# Altium PCB JBC_SolderingIron.PcbDoc
Units mm, origin at the board's own origin, x right, y up, seen from the top; angles counter-clockwise.
Board outline 100 x 55 mm, 2 copper layers (Top Layer, Bottom Layer), stack 1.671 mm thick; 98 components, 65 nets, 338 pads, 41 vias.
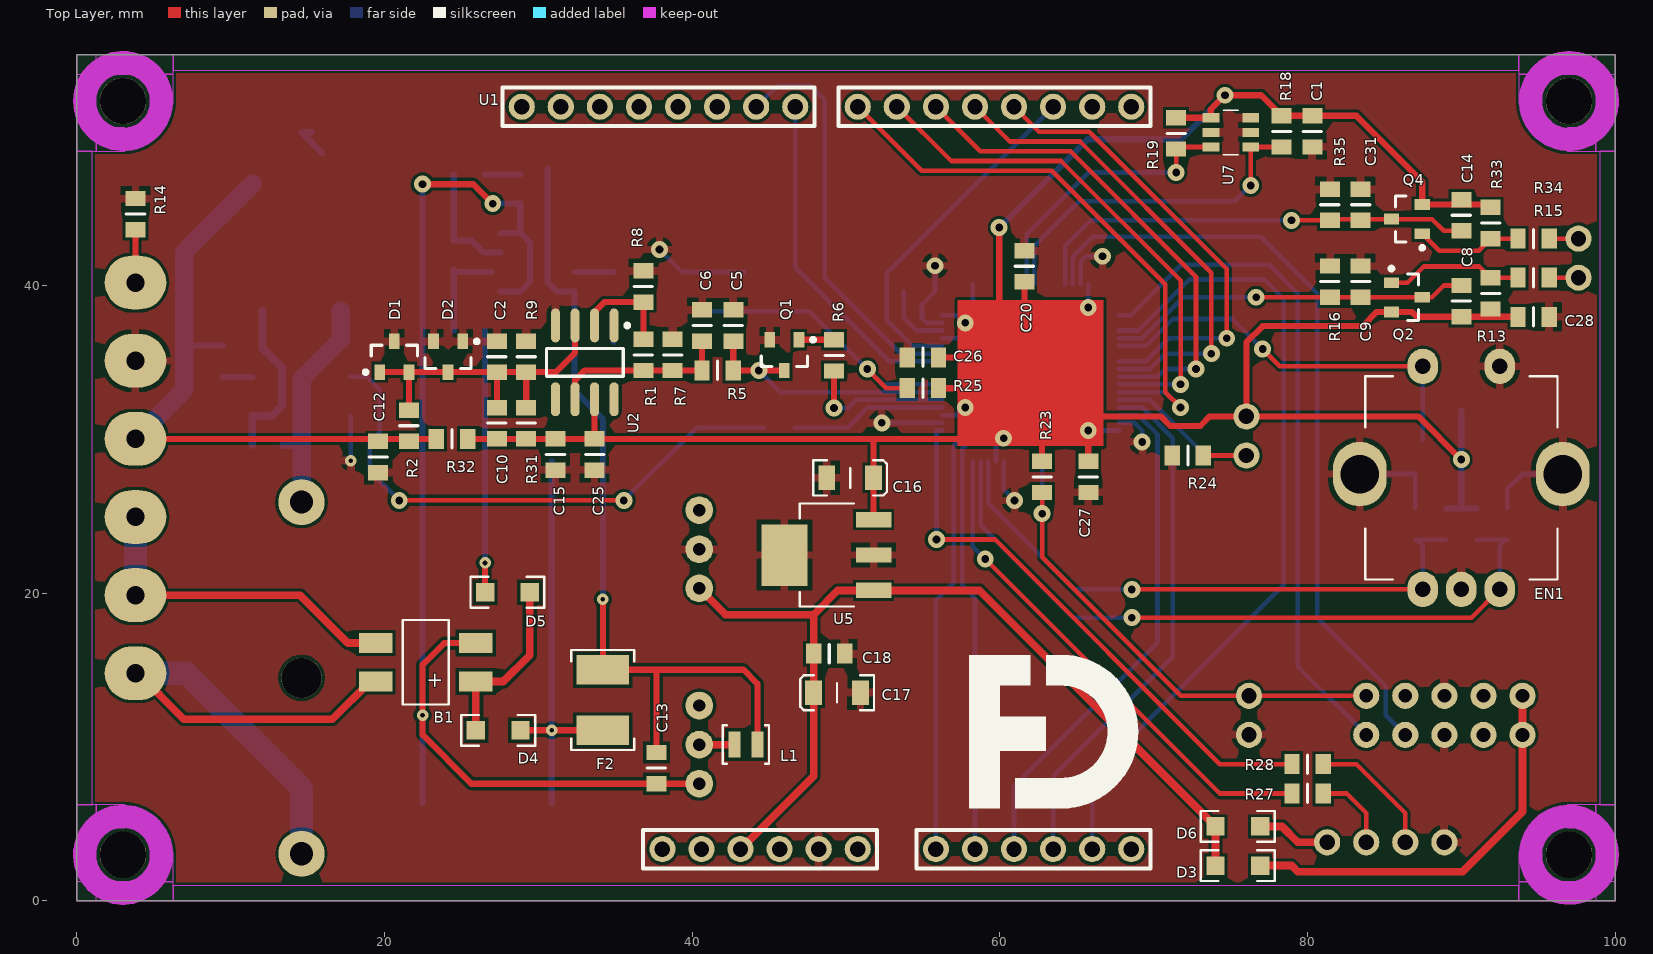
[diagram p0: Top Layer view]
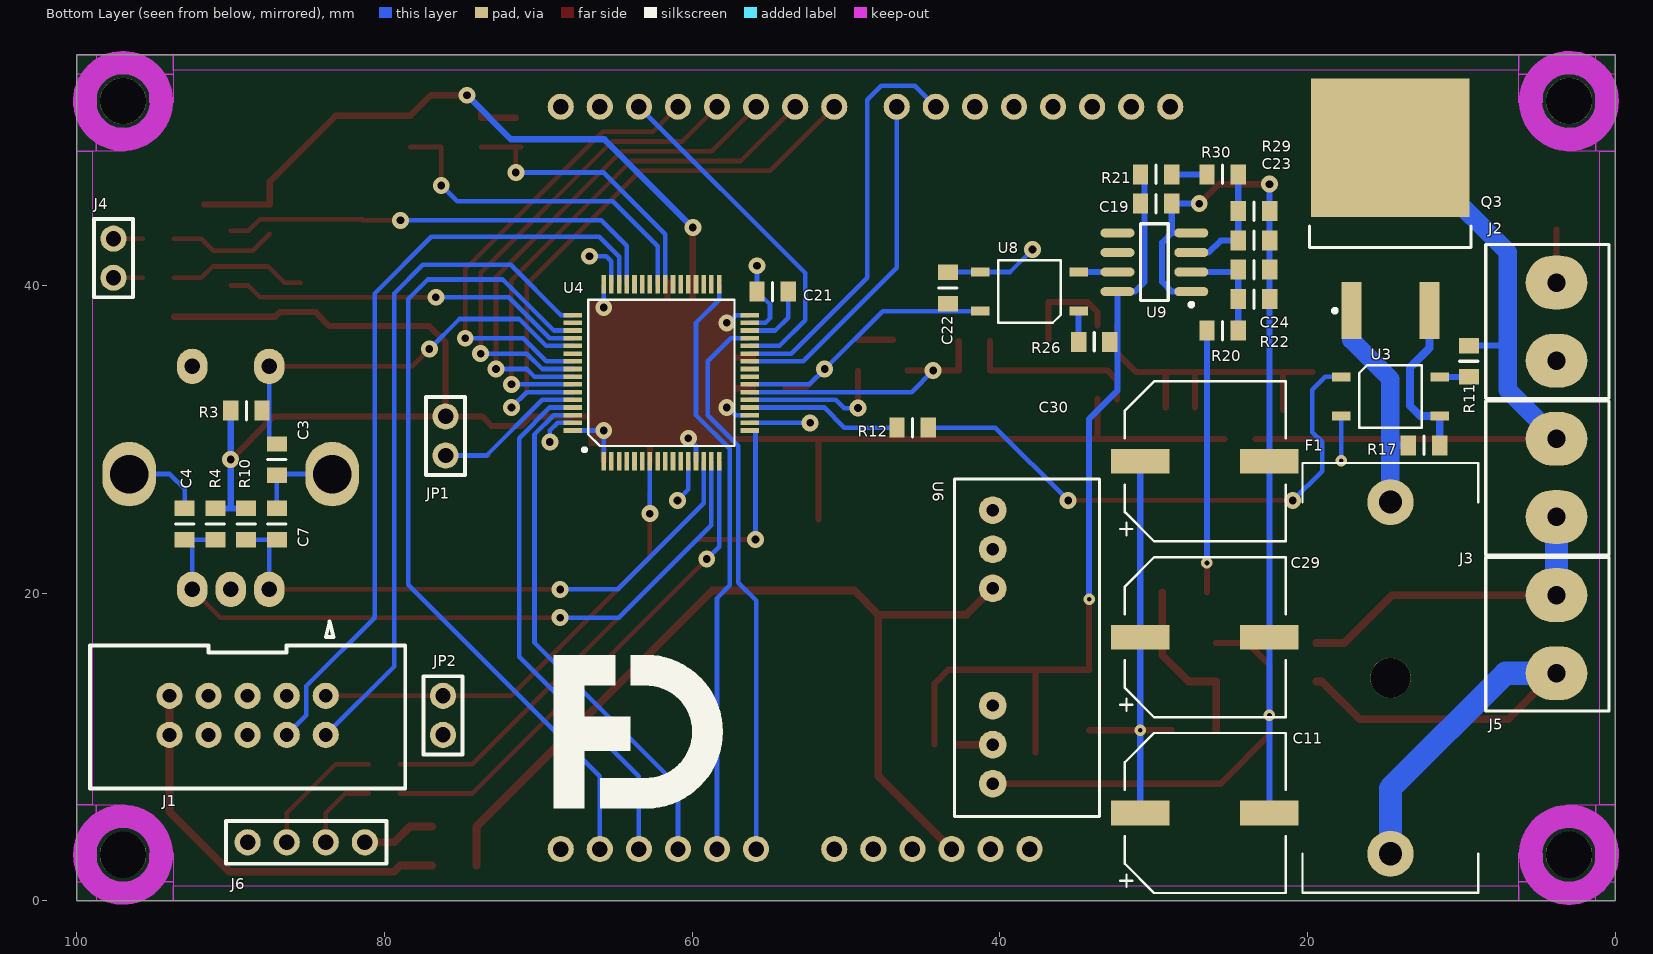
[diagram p1: Bottom Layer view, seen from below]
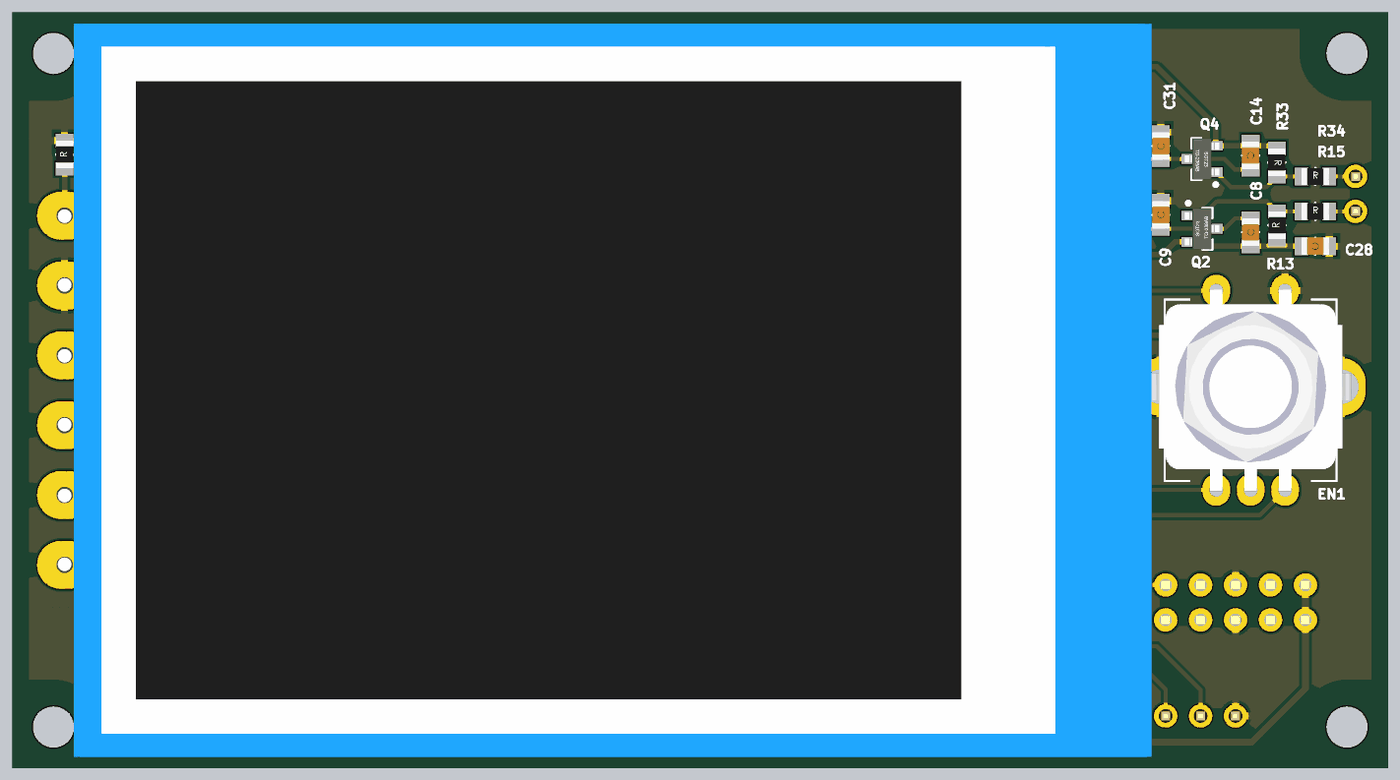
[diagram p2: 3D render of the assembled board from above, using the file's embedded part models]
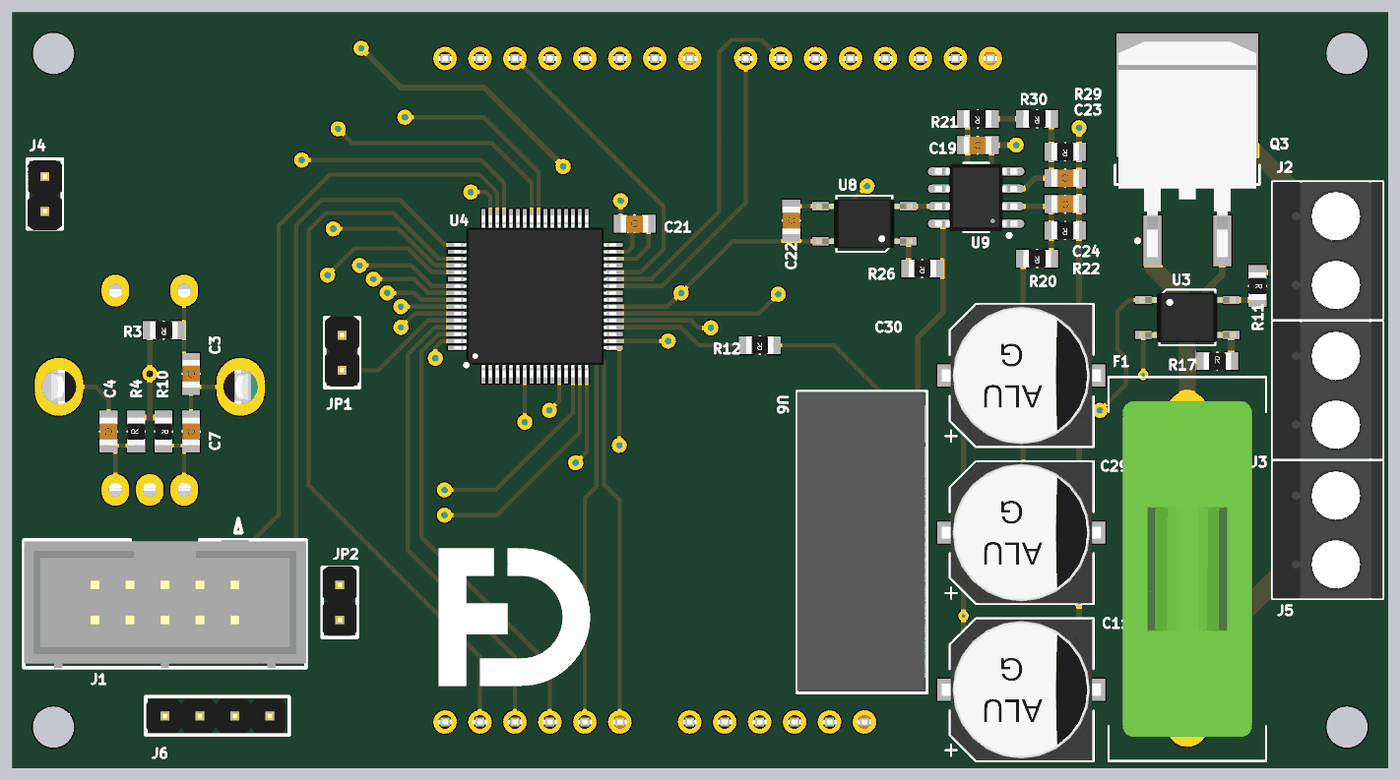
[diagram p3: 3D render of the assembled board from below, using the file's embedded part models]

## Layer stack, top to bottom
Top Solder: solder mask 0.0102, Solder Resist, Dk 3.5
Top Layer: signal copper 0.0356
Dielectric 1: dielectric 1.6, FR-4, Dk 4.8
Bottom Layer: signal copper 0.0356
Bottom Solder: solder mask 0.0102, Solder Resist, Dk 3.5

## Board outline
0,0 0,55 100,55 100,0

## Design rules (kind name [scope] priority, off if disabled: settings)
BoardOutlineClearance [All] p1: gap=0.2 ignorepadtopadclearanceinfootprint=FALSE except(0.4: Arc-SplitBarrior Arc-SplitContinuation Track-SplitBarrior Track-SplitContinuation SMDPad-SplitBarrior SMDPad-SplitContinuation THPad-SplitBarrior THPad-SplitContinuation Via-SplitBarrior Via-SplitContinuation Fill-SplitBarrior Fill-SplitContinuation Poly-SplitBarrior Poly-SplitContinuation Region-SplitBarrior Region-SplitContinuation Text-SplitBarrior Text-SplitContinuation)
Clearance "Clearance Bottom Layer" [OnLayer('Bottom Layer')] p1: gap=0.089 ignorepadtopadclearanceinfootprint=TRUE
Clearance "Clearance Top Layer" [OnLayer('Top Layer')] p2: gap=0.203 ignorepadtopadclearanceinfootprint=TRUE except(0.254: Arc-Text Track-Text SMDPad-Text THPad-Text Via-Text Fill-Text Poly-Text Region-Text Text-Text)
Clearance [All] p3: gap=0.2 ignorepadtopadclearanceinfootprint=FALSE except(0.089: Arc-Arc Arc-Track Arc-SMDPad Track-Track Track-SMDPad SMDPad-SMDPad; 0.127: Arc-Via Track-Via SMDPad-Via THPad-Via Via-Via; 0.254: Arc-Text Track-Text SMDPad-Text THPad-Text Via-Text Fill-Text Poly-Text Region-Text Text-Text)
HoleSize [All] p1: absolutevalues=TRUE maxlimit=6.3 minlimit=0.2 maxpercent=80.000 minpercent=20.000
MinimumAnnularRing [All] p1: minimumring=0.076
MinimumSolderMaskSliver [All] p1: minsoldermaskwidth=0.1
PlaneClearance [All] p1: clearance=0.6
PolygonConnect PolygonConnect_1 [All] p1: connectstyle=Relief reliefconductorwidth=0.508 reliefentries=4 polygonreliefangle="90 Angle" airgapwidth=0.3
RoutingCorners [All] p1: cornerstyle=Round minsetback=2.54 maxsetback=2.54
RoutingVias [All] p1: holewidth=0.5 width=1 viastyle="Through Hole" minholewidth=0.2 minwidth=0.45 maxholewidth=1 maxwidth=2
SilkToSilkClearance [All] p1: silktosilkclearance=0.1
SilkToSolderMaskClearance [IsPad] p1: minsilkscreentomaskgap=0.1 clearancetoexposedcopper=TRUE
SolderMaskExpansion [All] p1: expansion=0.102 istentingtop=FALSE
Width [All] p1: maxlimit=2.54 minlimit=0.089 preferedwidth=0.381
24 further rules are at their usual default settings.

## Components (designator, comment, footprint, x,y, rotation, side; value= is the part's Value field where it differs from the comment)
B1 "HD01 – HD06" HD01–HD06 22.68,15.515 r90 top
C1 "100n" "CAP 0805" 80.315,50.029 r90 top
C2 "1n" "CAP 0805" 27.305,35.374 r90 top
C3 "100n" "CAP 0805" 87,28.691 r90 bottom
C4 "100n" "CAP 0805" 93,24.5 r270 bottom
C5 "10p" "CAP 0805" 42.672,37.406 r90 top
C6 "10p" "CAP 0805" 40.64,37.406 r90 top
C7 "100n" "CAP 0805" 87,24.5 r90 bottom
C8 "10n" "CAP 0805" 90,38.989 r90 top
C9 "10n" "CAP 0805" 83.46,40.259 r90 top
C10 "100n" "CAP 0805" 27.305,31.056 r90 top
C11 "220uF" "G ELKO" 26.67,5.715 r0 bottom locked
C12 "100n" "CAP 0805" 19.585,28.858 r90 top
C13 "4,7u" "CAP 0805" 37.678,8.636 r90 top
C14 "10n" "CAP 0805" 90,44.577 r270 top
C15 "100n" "CAP 0805" 31.115,29.024 r270 top
C16 "10u" "CAP 1210" 48.747,27.5 r0 top
C17 "10u" "CAP 1210" 50.943,13.53 r180 top
C18 "100n" "CAP 0805" 48.911,16.07 r0 top
C19 "100n" "CAP 0805" 29.836,45.33 r180 bottom
C20 "1u" "CAP 0805" 61.595,41.259 r90 top
C21 "4,7u" "CAP 0805" 54.77,39.616 r180 bottom
C22 "1n" "CAP 0805" 43.378,39.845 r90 bottom
C23 "10n" "CAP 0805" 23.474,42.94 r180 bottom
C24 "10n" "CAP 0805" 23.474,41.035 r0 bottom
C25 "100n" "CAP 0805" 33.655,29.024 r90 top
C26 "100n" "CAP 0805" 55,35.33 r0 top
C27 "100n" "CAP 0805" 65.75,27.564 r90 top
C28 "100n" "CAP 0805" 94.699,37.973 r180 top
C29 "220uF" "G ELKO" 26.67,17.145 r0 bottom locked
C30 "220uF" "G ELKO" 26.67,28.575 r0 bottom locked
C31 "10n" "CAP 0805" 83.46,45.259 r90 top
D1 "BAS16" SOT23 20.635,35.374 r0 top
D2 "BAS16" SOT23 24.13,35.374 r180 top
D3 "BAT46WJ,115" SOD-123 75.47,2.3 r180 top
D4 "PNS40010ER" SOD-123 27.39,11.09 r0 top value=PNS40010ER,115
D5 "PNS40010ER" SOD-123 27.984,20.066 r180 top value=PNS40010ER,115
D6 "BAT46WJ,115" SOD-123 75.47,4.84 r180 top
EN1 "PEC11R" PEC11 90,27.5 r0 top locked value=PEC11R-4215K-N0024
F1 "10A" FUSE_WE5x20 14.605,14.494 r270 bottom
F2 "500mA" FUSE1812 34.185,13.058 r270 top
J1 "T821110A1S100CEU" MLW10 83.82,13.335 r0 bottom locked
J2 "G   PE" PTR_AKZ350 3.81,40.2 r270 bottom locked value=282837-2
J3 "B    R" PTR_AKZ350 3.81,30.04 r270 bottom locked value=282837-2
J4 "=Name" SIL2 97.62,43.053 r270 bottom value=282837-2
J5 "24VAC" PTR_AKZ350 3.81,19.88 r270 bottom locked value=282837-2
J6 "UART" SIL4 81.28,3.81 r0 bottom
JP1 "BOOT0" SIL2 76.03,28.956 r90 bottom
JP2 "RESET" SIL2 76.2,10.795 r90 bottom
L1 "SRN2009T-3R3M" SRN2009T 43.496,10.16 r180 top
Q1 "PMBF170" SOT23 45.99,35.485 r180 top value=PMBF170,215
Q2 "BC856" SOT23 86.46,39.243 r270 top value=NSVBC858CLT1G
Q3 "T1235-600G" TO262 17.145,38.37 r180 bottom
Q4 "BC856" SOT23 86.46,44.323 r90 top value=NSVBC858CLT1G
R1 "220k" "RES 0805" 36.83,35.501 r270 top
R2 "10k" "RES 0805" 21.585,30.89 r270 top
R3 "10k" "RES 0805" 88.984,31.866 r0 bottom
R4 "10k" "RES 0805" 91,24.5 r90 bottom
R5 "10k" "RES 0805" 41.656,34.485 r0 top
R6 "1M" "RES 0805" 49.226,35.469 r270 top
R7 "100k" "RES 0805" 38.735,35.501 r270 top
R8 "1k" "RES 0805" 36.83,39.946 r270 top
R9 "1M" "RES 0805" 29.21,35.374 r270 top
R10 "10k" "RES 0805" 89,24.5 r270 bottom
R11 "22R" "RES 0805" 9.5,35.081 r270 bottom
R12 "220R" "RES 0805" 45.67,30.77 r0 bottom
R13 "100k" "RES 0805" 91.905,39.497 r90 top
R14 "1M" "RES 0805" 3.81,44.645 r90 top
R15 "10k" "RES 0805" 94.699,40.513 r0 top
R16 "10k" "RES 0805" 81.46,40.259 r90 top
R17 "22R" "RES 0805" 12.421,29.62 r180 bottom
R18 "10k" "RES 0805" 78.315,50.029 r90 top
R19 "10k" "RES 0805" 71.46,49.897 r90 top
R20 "470R" "RES 0805" 25.518,37.075 r0 bottom
R21 "100k" "RES 0805" 29.836,47.235 r0 bottom
R22 "2k" "RES 0805" 23.474,39.118 r0 bottom
R23 "10k" "RES 0805" 62.75,27.564 r90 top
R24 "10k" "RES 0805" 72.22,28.956 r0 top
R25 "10k" "RES 0805" 55,33.33 r180 top
R26 "1k5" "RES 0805" 33.862,36.345 r0 bottom
R27 "1k" "RES 0805" 80.01,6.985 r180 top
R28 "1k" "RES 0805" 80.01,8.89 r180 top
R29 "?" "RES 0805" 23.474,44.845 r0 bottom
R30 "?" "RES 0805" 25.518,47.235 r0 bottom
R31 "1M" "RES 0805" 29.21,31.056 r270 top
R32 "1M" "RES 0805" 24.384,30.04 r0 top
R33 "100k" "RES 0805" 91.905,44.069 r270 top
R34 "10k" "RES 0805" 94.699,43.053 r0 top
R35 "10k" "RES 0805" 81.46,45.259 r90 top
U1 "*" 2.8inch_TFTLCD 48.732,27.5 r0 top locked
U2 "OPA335AID" SO8 34.925,37.409 r270 top
U3 "TLP163J" 11-4C1 14.605,32.795 r270 bottom
U4 "STM32F446" LQFP64 62,34.33 r90 bottom value=STM32F446RET6
U5 "LM2937" SOT223 48.895,22.485 r90 top value=LM2937IMP-3.3/NOPB
U6 "NCS3S4805SC" NCS3 40.46,7.62 r90 bottom locked
U7 "TMP100" SOT-23-6L 75.015,49.963 r90 top
U8 "TLP124" 11-4C1 38.078,39.615 r90 bottom
U9 "LM311D" SO8 27.55,39.615 r0 bottom

## Footprints (in the part's own frame and the unit in brackets; to place one, negate y for a bottom-side part, rotate by r counter-clockwise, add the part's x,y. Pads: shape width x height; smd on the part's side, far side on the other; paste and mask are expansions set on the pad)
2.8inch_TFTLCD [mm] "Adafruit 2.8inch TFT LCD module"
  round 1.7 hole 1: 1(-10.668,-24.13) 2(-8.128,-24.13) 3(-5.588,-24.13) 4(-3.048,-24.13) 5(-0.508,-24.13) 6(2.032,-24.13) 7(7.112,-24.13) 8(9.652,-24.13) 9(12.192,-24.13) 10(14.732,-24.13) 11(17.272,-24.13) 12(19.812,-24.13) 13(19.812,24.13) 14(17.272,24.13) 15(14.732,24.13) 16(12.192,24.13) 17(9.652,24.13) 18(7.112,24.13) 19(4.572,24.13) 20(2.032,24.13) 21(-2.032,24.13) 22(-4.572,24.13) 23(-7.112,24.13) 24(-9.652,24.13) 25(-12.192,24.13) 26(-14.732,24.13) 27(-17.272,24.13) 28(-19.812,24.13)
  silkscreen extent -21.06,-25.38 21.06,25.38, body extent -44.24,-26.67 34.06,26.67, height 16.59
11-4C1 [mm] "TOSHIBA 11-4C1 optocoupler package"
  rect 0.6x1.2 smd: 1(-1.27,-3.2) 3(1.27,-3.2) 4(1.27,3.2) 6(-1.27,3.2)
  silkscreen extent -2.03,-2.03 2.03,2.03, body extent -1.8,-3.5 1.8,3.5, height 2.7
"CAP 0805" [mm] "0805 CAPACITOR"
  rect 1x1.3 smd: 1(-1.016,0) 2(1.016,0)
  silkscreen extent 0,-0.6 0,0.6, body extent -1,-0.64 1,0.62, height 0.6
"CAP 1210" [mm] "POLARIZED CAPACITOR"
  rect 1.1x1.6 smd: 1(3.048,0) 2(0,0)
  silkscreen extent -0.88,-1.14 3.92,1.14, body extent -0.17,-0.8 3.22,0.8, height 1.65
FUSE1812 [mil] "Multifuse"
  rect 75x135 smd: 1(-77.5,0) 2(77.5,0)
  silkscreen extent -128,-81 128,81, body extent -93,-67 93,67, height 53
FUSE_WE5x20 [mm] "FUSE_WE5x20"
  round 3 hole 1.5: 1(-11.43,0) 2(11.43,0)
  round 2.6 hole 2.6 unplated: ""(0,0)
  silkscreen extent -13.97,-5.72 13.97,5.72, body extent -12.2,-4.7 12.2,4.7, height 13.5
"G ELKO" [mm] "G type SMD ELKO capacitor"
  rect 3.8x1.6 smd: 1(4.2,0) 2(-4.2,0)
  silkscreen extent -5.25,-5.2 5.5,5.2, body extent -5.8,-5.15 5.8,5.15, height 10.2
HD01–HD06 [mm] "0.8A SURFACE MOUNT GLASS PASSIVATED BRIDGE RECTIFIER"
  rect 1.3x2.2 smd: 1(-1.25,-3.25) 2(1.25,-3.25) 3(1.25,3.25) 4(-1.25,3.25)
  silkscreen extent -2.75,-1.5 2.75,1.5, body extent -2.35,-3.1 2.35,3.1, height 1.75
LQFP64 [mm]
  rect 1.2x0.3 smd: 1(-5.75,3.75) 2(-5.75,3.25) 3(-5.75,2.75) 4(-5.75,2.25) 5(-5.75,1.75) 6(-5.75,1.25) 7(-5.75,0.75) 8(-5.75,0.25) 9(-5.75,-0.25) 10(-5.75,-0.75) 11(-5.75,-1.25) 12(-5.75,-1.75) 13(-5.75,-2.25) 14(-5.75,-2.75) 15(-5.75,-3.25) 16(-5.75,-3.75) 33(5.75,-3.75) 34(5.75,-3.25) 35(5.75,-2.75) 36(5.75,-2.25) 37(5.75,-1.75) 38(5.75,-1.25) 39(5.75,-0.75) 40(5.75,-0.25) 41(5.75,0.25) 42(5.75,0.75) 43(5.75,1.25) 44(5.75,1.75) 45(5.75,2.25) 46(5.75,2.75) 47(5.75,3.25) 48(5.75,3.75)
  rect 0.3x1.2 smd: 17(-3.75,-5.75) 18(-3.25,-5.75) 19(-2.75,-5.75) 20(-2.25,-5.75) 21(-1.75,-5.75) 22(-1.25,-5.75) 23(-0.75,-5.75) 24(-0.25,-5.75) 25(0.25,-5.75) 26(0.75,-5.75) 27(1.25,-5.75) 28(1.75,-5.75) 29(2.25,-5.75) 30(2.75,-5.75) 31(3.25,-5.75) 32(3.75,-5.75) 49(3.75,5.75) 50(3.25,5.75) 51(2.75,5.75) 52(2.25,5.75) 53(1.75,5.75) 54(1.25,5.75) 55(0.75,5.75) 56(0.25,5.75) 57(-0.25,5.75) 58(-0.75,5.75) 59(-1.25,5.75) 60(-1.75,5.75) 61(-2.25,5.75) 62(-2.75,5.75) 63(-3.25,5.75) 64(-3.75,5.75)
  silkscreen extent -5.1,-4.75 4.75,5.1, body extent -5.89,-5.89 5.89,5.89, height 1.55
MLW10 [mm]
  round 1.7 hole 0.9: 1(0,0) 2(0,2.54) 3(2.54,0) 4(2.54,2.54) 5(5.08,0) 6(5.08,2.54) 7(7.62,0) 8(7.62,2.54) 9(10.16,0) 10(10.16,2.54)
  silkscreen extent -5.17,-4.83 15.33,6.02, body extent -5.17,-3.28 15.33,6.02, height 9.2
NCS3 [mm] "3W DC-DC CONVERTER"
  round 1.8 hole 0.8: 1(0,0) 2(2.54,0) 3(5.08,0) 6(12.7,0) 7(15.24,0) 8(17.78,0)
  silkscreen extent -2.14,-6.95 19.81,2.5, body extent -2.01,-6.82 19.79,2.5, height 11.2
PEC11 [mm]
  oval 2x2.3 hole 1: 1(-2.5,-7.25) 2(0,-7.25) 3(2.5,-7.25) 4(2.5,7.25) 5(-2.5,7.25)
  oval 3.5x4.2 hole 2.5: 6(-6.6,0.25) 7(6.6,0.25)
  silkscreen extent -6.25,-6.6 6.25,6.6, body extent -7.31,-7.35 7.31,7.35, height 19.5
PTR_AKZ350 [mm] "2 PIN TERMINAL BLOCK"
  oval 3.5x4 hole 1.2: 1(0,0) 2(5.08,0)
  silkscreen extent -2.46,-4.6 7.54,3.4, body extent -2.46,-4.6 7.54,3.4, height 10.1
"RES 0805" [mm] "0805 Resistor"
  rect 1x1.3 smd: 1(-1.016,0) 2(1.016,0)
  silkscreen extent 0,-0.6 0,0.6, body extent -1,-0.63 1,0.62, height 0.6
SIL2 [mm] "2 PIN SINGLE IN LINE CONNECTOR"
  round 1.7 hole 1: 1(0,0) 2(2.54,0)
  silkscreen extent -1.27,-1.27 3.81,1.27, body extent -1.17,-1.25 3.91,1.25, height 8.3
SIL4 [mm] "4 PIN SINGLE IN LINE CONNECTOR"
  round 1.7 hole 1: 1(0,0) 2(2.54,0) 3(5.08,0) 4(7.62,0)
  silkscreen extent -1.4,-1.4 9.02,1.4, body extent -1.17,-1.25 8.99,1.25, height 8.3
SO8 [mm] "SOIC, 8-Leads, Body 4.9x3.9mm, Pitch 1.27mm, IPC Medium Density"
  oval 2.2x0.6 smd: 1(0,0) 2(0,-1.27) 3(0,-2.54) 4(0,-3.81) 5(4.8,-3.81) 6(4.8,-2.54) 7(4.8,-1.27) 8(4.8,0)
  silkscreen extent -0.12,-4.41 3.3,0.98, body extent -0.6,-4.35 5.4,0.55, height 1.7
SOD-123 [mm] "SOD-123"
  rect 1.2x1.2 smd: 1(-1.45,0) 2(1.45,0)
  silkscreen extent -2.4,-1 2.4,1, body extent -1.88,-0.85 1.87,0.85, height 1.2
SOT23 [mm]
  rect 0.7x1 smd: 1(-0.95,-1) 2(0.95,-1) 3(0,1)
  silkscreen extent -1.99,-1.12 1.5,0.75, body extent -1.5,-1.25 1.5,1.25, height 1.09
SOT223 [mm]
  rect 1x2.3 smd: 1(-2.3,-2.9) 2(0,-2.9) 3(2.3,-2.9)
  rect 4x3 smd: 2(0,2.9)
  silkscreen extent -3.35,-1.6 3.35,1.9, body extent -3.25,-3.4 3.25,3.6, height 1.64
SOT-23-6L [mm]
  rect 0.6x1.1 smd: 1(-0.95,-1.3) 2(0,-1.3) 3(0.95,-1.3) 4(0.95,1.3) 5(0,1.3) 6(-0.95,1.3)
  silkscreen extent -1.45,-0.5 1.45,0.5, body extent -1.45,-1.4 1.45,1.4, height 1.45
SRN2009T [mm] "SRN2009T"
  rect 0.8x1.7 smd: 1(-0.75,0) 2(0.75,0)
  silkscreen extent -1.5,-1.25 1.5,1.25
TO262 [mm] "D2PAK or TO-262"
  rect 1.3x3.7 smd: 1(0,0) 3(5.08,0)
  rect 10.3x9 smd: 2(2.54,10.6)
  silkscreen extent -2.71,-0.12 7.79,5.5, body extent -2.46,-1.18 7.54,14.49, height 4.83

## Part data
B1: library part HD01–HD06, "0.8A SURFACE MOUNT GLASS PASSIVATED BRIDGE RECTIFIER", Manufacturer=DiodesZetex, Distributor="RS Components", Name="HD01 – HD06", Reference ID=751-4458
C1 C2 C3 C4 C5 C6 C7 C8 C9 C10 C12 C13 C14 C15 C18 C19 C20 C21 C22 C23 C24 C25 C26 C27 C28 C31: library part CAP, "NON POLARIZED CAPACITOR"
C11 C16 C17 C29 C30: library part CAP_POL, "POLARIZED CAPACITOR"
D1 D2: "Low leakage current diode", Manufacturer="ON Semiconductor", Distributor="RS Components", Name=BAS16, Reference ID=739-0476
D3 D6: library part SCHOTTKY, "SCHOTTKY DIODE", Manufacturer=Nexperia, Distributor="RS Components", Name=BAT46WJ, Reference ID=780-5350
D4 D5: "Nexperia PNS40010ER,115 switching diode 1.4A, 400V, SOD-123", Manufacturer=Nexperia, Distributor="RS Components", Name=PNS40010ER, Reference ID=136-4874
EN1: library part PEC11, "Mechanical rotary encoder with pushbutton", Manufacturer=Bourns, Distributor="RS Components", Name=PEC11R, Reference ID=789-9541
F1: library part FUSE_WE5x20, "Wurth Elektronik PCB Fuse Holder, 10 (UL) A, 6.3 (VDE) A, 250V ac", Manufacturer="Wurth Elektronik", Distributor="RS Components", Name=696107003002, Reference ID=893-0580
F2: library part FUSE, "FUSE", Distributor=LOMEX, Reference ID=44-02-32
J1: library part T821-10, "T821, 10pin, 2x5 connector, 2.54mm", Manufacturer=Amphenol, Distributor="RS Components", Name=T821, Reference ID=832-3528
J2 J3 J4 J5: library part TB-2, "2 Pin Terminal Block", Manufacturer="TE Connectivity", Distributor="RS Components", Reference ID=710-0100
  J2: Name="G   PE"
  J3: Name="B    R"
  J5: Name=24VAC
J6: library part HEADER4, "4 PIN HEADER"
JP1 JP2: library part JUMPER, "JUMPER"
  JP1: Name=BOOT0
  JP2: Name=RESET
L1: "SRN2009T-3R3M -  Power Inductor (SMD), 3.3 µH, 850 mA, Semishielded, 850 mA, SRN2009T Series, 2mm x 1.6mm x 0.95mm", Manufacturer=Bourns, Distributor=Farnell, Name=3.3uH, Reference ID=2808273
Q1: "N-Channel MOSFET", Manufacturer=Nexperia, Distributor="RS Components", Name=PMBF170, Reference ID=484-3536
Q2 Q4: "PNP transistor, SOT23", Manufacturer="ON Semiconductor", Distributor="RS Components", Name=BC856, Reference ID=781-5109
Q3: "ST micro T1235-600G triac", Manufacturer="ST Microelectronics", Distributor="RS Components", Name=T1235-600G, Reference ID=811-1111
R1 R2 R3 R4 R5 R6 R7 R8 R9 R10 R11 R12 R13 R14 R15 R16 R17 R18 R19 R20 R21 R22 R23 R24 R25 R26 R27 R28 R29 R30 R31 R32 R33 R34 R35: library part RES, "RESISTOR"
U1: library part 2.8inch_TFT_LCD, "2.8 inch Adafruit LCD module"
U2: library part OPA335, "Precision OPAMP, SO8", Manufacturer="Texas Instruments", Distributor="RS Components", Name=OPA335, Reference ID=461-8699
U3: library part TLP168J, "Toshiba TLP163J optotriac with zero crossing detector", Manufacturer=Toshiba, Distributor="RS Components", Name=TLP163J, Reference ID=885-1326
U4: library part STM32F446RET6, "MCU STM32F446RET6 32bit, ARM Cortex M4, 180MHz, Flash, 128 kB RAM, 2xUSB USB, LQFP-64", Manufacturer="ST Microelectronics", Distributor="RS Components", Name=STM32F446, Reference ID=110-6621
U5: "LDO-regulator 400mA 3,3 V 5%, 4,75 › 26 V, SOT223", Manufacturer="Texas Instruments", Distributor="RS Components", Name=LM2937, Reference ID=761-5599
U6: library part NCS3, "NCS3-SINGLE DC/DC", Manufacturer=muRata, Distributor="RS Components", Name=NCS3, Reference ID=876-2462
U7: library part TMP10x, "Temperature sensor with I2C interface", Manufacturer="Texas Instruments", Name=TMP100
U8: "Transistor output optocoupler TOSHIBA TLP124", Manufacturer=Toshiba, Distributor="RS Components", Name=TLP124, Reference ID=760-3158
U9: library part LM311, "LM311D -  SINGLE CHANNEL W/STROBE COMPARATOR, SO8", Manufacturer="Texas Instruments", Distributor=Farnell, Name=LM311D, Reference ID=3005521

## Free pads (board coordinates)
  round 3 hole 3 unplated: ""(3,3) ""(3,52) ""(97,52) ""(97,3)

## Via types
v1: diameter 1.1, hole 0.5, Top Layer to Bottom Layer, 36 vias
v2: diameter 0.75, hole 0.3, Top Layer to Bottom Layer, 5 vias

## Nets (pads, with @x,y where several pads share a name; then routed paths per layer and width w, separated by ;. In a path a pad name is that pad's centre, name@x,y a point inside that pad or via, vN(x,y) a via of type N, cw(c..) or ccw(c..) an arc to the next point about the centre after c; other vN are vias at no path point)
3V3: C1.2 C8.1 C10.1 C14.1 C15.1 C16.1 C20.1 C25.2 C26.2 C27.2 C28.2 JP1.2 Q2.2 Q4.2 R3.2 R4.2 R10.1 R13.1 R18.2 R19.2 R23.2 R25.1 R31.2 R32.2 R33.1 U2.7 U4.1 U4.13 U4.19 U4.32 U4.48 U4.64 U5.3 U7.4 | length 164.4
  Top Layer w0.4: R32.2 C10.1 R31.2 C15.1 C25.2 ; U2.7 C25.2 ; U5.3 C16.1 51.795,30.04 ; R25.1 57.484,33.33 ; C26.2 57.75,35.33 ; 57.735,30.04 51.795,30.04 ; 59.96,38.773 v1(59.96,43.773) ; 61.595,38.719 C20.1 ; R23.2 62.75,30.255 ; C27.2 v1(65.75,30.58) v1@65.775,30.555 ; 66.484,34.33 66.5,34.314 ; 66.505,31.496 70.463,31.496 71.085,30.874 73.027,30.874 73.649,31.496 JP1.2 ; R19.2 U7.4 73.715,51.451 v1(74.638,52.374) 76.986,52.374 R18.2 C1.2 83.183,51.045 87.46,46.768 Q4.2 R33.1@91.717,45.273 ; v1(90,28.691) 87.195,31.496 JP1.2 ; C28.2 C8.1 87.105,37.973 86.785,38.293 Q2.2 84.504,38.293 83.585,37.374 77.085,37.374 76.03,36.319 JP1.2 ; C25.2 51.795,30.04
  Bottom Layer w0.3: U4.19 57.174,31.58 57.674,32.08 v1(57.75,32.08) ; U4.32 57.174,38.08 57.674,37.58 v1(57.75,37.58) ; U4.13 59.75,29.58 v1(60.25,30.08) ; U4.1 v1(65.75,30.58) U4.64 ; v1(65.75,38.58) U4.48
  Bottom Layer w0.4: v1(59.96,43.773) 65.703,49.516 71.78,49.516 v1(74.638,52.374) ; R10.1 90,25.516 ; R3.2 v1(90,28.691) 90,25.516 ; R4.2 90,25.516
5V: C17.1 C18.1 D3.2 D6.2 U1.3 U5.1 U6.6 | length 61
  Top Layer w0.5: U6.6 42.17,18.61 47.895,18.61 ; U1.3 47.895,8.121 C17.1 C18.1 47.895,18.61 ; D3.2 D6.2 58.675,20.185 U5.1 49.47,20.185 47.895,18.61
ENC_A: C7.1 EN1.1 R10.2 U4.14 | length 38.7
  Top Layer w0.3: v1(68.58,20.25) EN1.1
  Bottom Layer w0.3: U4.14 59.25,25.84 64.84,20.25 v1(68.58,20.25) ; C7.1 C7.1@87.15,23.484 ; EN1.1 87.5,23.134 C7.1@87.15,23.484 ; R10.2 C7.1@87.15,23.484
ENC_B: C4.2 EN1.3 R4.1 U4.15 | length 46.5
  Top Layer w0.3: v1(68.58,18.415) 90.665,18.415 EN1.3
  Bottom Layer w0.3: U4.15 58.75,24.435 64.77,18.415 v1(68.58,18.415) ; R4.1 C4.2@92.85,23.484 ; EN1.3 92.5,23.134 C4.2@92.85,23.484 ; C4.2 C4.2@92.85,23.484
ENC_BUT: C3.2 EN1.5 R3.1 U4.53 | length 26.5
  Top Layer w0.3: v1(77.085,35.874) 78.209,34.75 EN1.5
  Bottom Layer w0.3: U4.53 69.505,36.08 71.255,37.83 75.129,37.83 v1(77.085,35.874) ; C3.2@87.5,29.961 EN1.5
GND: C1.1 C2.2 C3.1 C4.1 C5.2 C6.2 C7.2 C9.2 C12.1 C15.2 C16.2 C17.2 C18.2 C20.2 C21.1 C22.2 C25.1 C26.1 C27.1 C28.1 C31.2 D1.3 D2.1 D2.2 EN1.2 EN1.4 EN1.6 EN1.7 J1.5 J1.6 J2.2 J6.4 JP2.1 Q1.2 R7.1 R8.1 R9.1 R14.2 R16.2 R24.1 R35.2 U1.5 U2.4 U3.3 U4.12 U4.18 U4.31 U4.47 U4.63 U5.2 U6.7 U7.2 U7.3 U7.5 U8.4 | length 37.6
  Bottom Layer w0.3: v2(17.805,28.61) U3.3 ; v1(37.878,42.345) 39.338,40.885 U8.4 C22.2@43.378,40.885 ; v1(52.33,31.08) U4.18 ; v1(55.786,41.29) C21.1 54.941,38.771 54.941,37.873 55.234,37.58 U4.31 ; U4.12 60.25,26.745 v1(60.96,26.035) ; U4.47 65.25,41.58 65.58,41.91 v1(66.675,41.91) v1@66.645,41.94 ; U4.63 68.75,31.08 69.25,30.58 v1(69.25,29.83) ; EN1.6 C3.1@87,27.75 ; C7.2 C3.1 ; C4.1 93,26.789 93.961,27.75 EN1.7
HEATING: R12.2 U4.20 | length 10.1
  Bottom Layer w0.3: R12.2 50.115,30.77 51.425,32.08 U4.20
INH_ADC: R6.2 U4.21 | length 10
  Top Layer w0.4: v1(49.226,32.04) R6.2
  Bottom Layer w0.3: v1@48.845,32.04 v1(49.226,32.04) 50.115,32.04 50.655,32.58 U4.21
INT_ZC: C22.1 R25.2 U4.23 U8.6 | length 20.1
  Top Layer w0.3: v1(51.385,34.58) 51.385,34.571 52.626,33.33 R25.2
  Bottom Layer w0.3: U8.6 43.378,38.345 47.611,38.345 51.376,34.58 v1(51.385,34.58) 51.385,34.571 52.376,33.58 U4.23
LCD_CS: U1.10 U4.61 | length 34.3
  Bottom Layer w0.3: U1.10 63.464,8.099 71.25,15.885 71.25,30.08 69.25,32.08 U4.61
LCD_D0: U1.21 U4.26 | length 22.5
  Bottom Layer w0.3: U1.21 46.7,41.161 52.781,35.08 U4.26
LCD_D1: U1.22 U4.27 | length 26.6
  Bottom Layer w0.3: U1.22 45.525,52.995 47.702,52.995 48.62,52.077 48.62,40.511 53.551,35.58 U4.27
LCD_D2: U1.15 U4.28 | length 22.6
  Bottom Layer w0.3: U4.28 54.321,36.08 52.655,37.746 52.655,40.821 U1.15
LCD_D3: U1.16 U4.55 | length 30.3
  Top Layer w0.3: U1.16 62.549,50.005 65.825,50.005 74.75,41.08 v1(74.75,36.58)
  Bottom Layer w0.3: U4.55 69.49,35.08 70.99,36.58 v1(74.75,36.58)
LCD_D4: U1.17 U4.56 | length 31.5
  Top Layer w0.3: U1.17 60.644,49.37 65.21,49.37 73.75,40.83 v1(73.75,35.58)
  Bottom Layer w0.3: U4.56 69.75,34.58 70.75,35.58 v1(73.75,35.58)
LCD_D5: U1.18 U4.57 | length 32.7
  Top Layer w0.3: U1.18 58.739,48.735 64.595,48.735 72.75,40.58 v1(72.75,34.58)
  Bottom Layer w0.3: U4.57 70.25,34.08 70.75,34.58 v1(72.75,34.58)
LCD_D6: U1.19 U4.58 | length 34.1
  Top Layer w0.3: U1.19 56.834,48.1 63.98,48.1 71.75,40.33 v1(71.75,33.58) v1@71.75,33.33
  Bottom Layer w0.3: U4.58 v1(71.75,33.58)
LCD_D7: U1.20 U4.59 | length 37.6
  Top Layer w0.3: U1.20 54.929,47.465 63.365,47.465 70.75,40.08 70.75,33.08 v1(71.75,32.08)
  Bottom Layer w0.3: U4.59 70.75,33.08 v1(71.75,32.08)
LCD_RD: U1.7 U4.29 | length 36.4
  Bottom Layer w0.3: U1.7 55.844,19.529 57,20.685 57,29.58 59,31.58 59,35.08 57.5,36.58 U4.29
LCD_RS: U1.9 U4.62 | length 33.8
  Bottom Layer w0.3: U1.9 60.924,7.464 70.25,16.79 70.25,30.33 69,31.58 U4.62
LCD_RST: U1.11 U4.51 | length 53.5
  Bottom Layer w0.3: U1.11 66.004,8.099 78.465,20.56 78.465,39.13 77.195,40.4 72.325,40.4 69.005,37.08 U4.51
LCD_WR: U1.8 U4.33 | length 38.6
  Bottom Layer w0.3: U4.33 58.25,39.08 59.75,37.58 59.75,31.58 57.555,29.385 57.555,20.515 58.384,19.686 U1.8
NetB1_1: B1.1 D4.1 D5.1 | length 11.5
  Top Layer w0.5: D4.1 25.94,14.255 B1.1 27.718,14.265 29.434,15.981 D5.1
NetB1_2: B1.2 C11.2 C13.1 C19.2 C23.2 C24.1 C29.2 C30.2 R22.1 R29.1 U6.1 U9.1 U9.4 | length 83.8
  Top Layer w0.4: v1(22.47,46.595) 25.77,46.595 v1(27.035,45.33) ; B1.2 23.868,16.765 22.47,15.367 v2(22.47,12.065) 22.47,10.795 25.645,7.62 C13.1 38.735,7.62 U6.1
  Bottom Layer w0.4: C11.2@22.47,6.35 v2(22.47,12.065) C29.2 C30.2 22.47,41.035 v1(22.47,46.595) ; v1(27.035,45.33) C19.2 28.82,43.425 ; U9.1 28.82,39.615 29.455,40.25 29.455,42.79 28.82,43.425 ; U9.4 28.82,43.425
NetB1_3: B1.3 J3.2 J5.1 | length 22
  Top Layer w0.5: J5.1 14.505,19.88 17.62,16.765 B1.3
  Bottom Layer w1.5: J5.1 J3.2
NetB1_4: B1.4 F1.2 J5.2 | length 36.1
  Top Layer w0.5: J5.2 3.89,14.88 6.96,11.81 16.605,11.81 19.06,14.265 B1.4
  Bottom Layer w1.5: J5.2 7.115,14.8 14.605,7.31 F1.2
NetC2_1: C2.1 C10.2 D1.1 D1.2 D2.3 R2.1 R9.2 R31.1 U2.3 | length 22
  Top Layer w0.4: D1.1 D1.2 ; R2.1 D1.2 ; C10.2 C2.1 C2.1@27.305,34.374 ; R31.1 R9.2 ; U2.3 32.385,35.644 31.115,34.374 C2.1@27.305,34.374 ; D1.2 D2.3 C2.1@27.305,34.374
NetC6_1: C6.1 R1.2 R5.1 R7.2 U2.6 | length 11.7
  Top Layer w0.4: U2.6 32.385,33.85 33.02,34.485 R1.2 R7.2 R5.1 C6.1
NetC11_1: C11.1 C29.1 C30.1 D4.2 F2.2 | length 27.6
  Top Layer w0.4: D4.2 F2.2
  Bottom Layer w0.4: C11.1@30.87,6.35 C29.1 C30.1
  other v2: 30.87,11.09
NetC12_2: C12.2 J3.1 Q3.2 R2.2 R11.1 R32.1 | length 44.3
  Top Layer w0.4: J3.1 18.215,30.04 19.215,30.04 19.715,30.04 20.955,30.04 21.585,30.04 R32.1
  Bottom Layer w0.4: 6.985,36.097 R11.1 ; Q3.2@15.255,49.97 14.605,49.97 Q3.2@15.934,48.641
  Bottom Layer w1.2: J3.1 6.985,33.215 6.985,36.097 6.985,42.18 Q3.2@11.43,46.625
NetC13_2: C13.2 C19.1 F2.1 L1.1 R21.2 R26.1 U9.8 | length 54.5
  Top Layer w0.4: F2.1 F2.1@34.195,15.027 ; v2(34.195,19.61) F2.1@34.195,15.027 ; C13.2 37.678,15.027 ; L1.1 44.246,14.119 43.338,15.027 37.678,15.027 ; F2.1@34.195,15.027 37.678,15.027
  Bottom Layer w0.4: R21.2@30.585,47.61 30.585,40.25 31.22,39.615 U9.8 32.35,33.175 34.195,31.33 v2(34.195,19.61)
NetC21_2: C21.2 U4.30 | length 4.5
  Bottom Layer w0.3: C21.2 53.754,37.917 54.591,37.08 U4.30
NetC23_1: C23.1 R29.2 R30.1 U9.3 | length 7.7
  Bottom Layer w0.4: R30.1 24.502,44.845 24.502,42.928 25.652,42.928 26.425,42.155 U9.3
NetC24_2: C24.2 R20.1 R22.2 U9.2 | length 6.4
  Bottom Layer w0.4: C24.2@24.49,40.885 C24.2@24.502,40.885 ; R20.1 24.502,39.118 C24.2@24.502,40.885 ; C24.2@24.502,41.035 C24.2@24.502,40.885 ; U9.2@26.915,40.885 C24.2@24.502,40.885
NetD3_1: D3.1 J1.9 J1.10 | length 26.4
  Top Layer w0.5: D3.1 78.98,2.3 79.375,1.905 90.08,1.905 93.98,5.805 J1.10 J1.9
NetD5_2: D5.2 R20.2 | length 17
  Top Layer w0.4: D5.2 v2(26.534,21.971)
  Bottom Layer w0.4: v2(26.534,21.971) R20.2
NetD6_1: D6.1 J6.1 | length 4.8
  Top Layer w0.5: D6.1 78.345,4.84 79.375,3.81 J6.1
NetF1_1: F1.1 Q3.1 R17.1 | length 14.7
  Bottom Layer w0.5: R17.1 14.605,29.62
  Bottom Layer w1.2: F1.1 14.605,29.62 14.605,33.925 17.145,36.465 Q3.1
NetJ4_1: J4.1 R34.2 | length 1.9
  Top Layer w0.3: R34.2 J4.1
NetJ4_2: J4.2 R15.2 | length 1.9
  Top Layer w0.3: R15.2 J4.2
NetJ6_2: J6.2 R27.1 | length 5.2
  Top Layer w0.3: R27.1 82.55,6.985 83.82,5.715 J6.2
NetJ6_3: J6.3 R28.1 | length 8.6
  Top Layer w0.3: R28.1 83.185,8.89 86.36,5.715 J6.3
NetJP1_1: JP1.1 R24.2 U4.60 | length 12.6
  Top Layer w0.3: R24.2 JP1.1
  Bottom Layer w0.3: U4.60 69.75,32.58 73.374,28.956 JP1.1
NetL1_2: L1.2 U6.2 | length 2.3
  Top Layer w0.5: U6.2 L1.2
NetQ1_1: Q1.1 R6.1 | length 2.3
  Top Layer w0.4: Q1.1 R6.1
NetQ2_1: Q2.1 R13.2 R15.1 | length 9
  Top Layer w0.3: Q2.1 86.505,40.193 87.555,41.243 91.175,41.243 R13.2 R15.1
NetQ3_3: Q3.3 R17.2 U3.4 | length 10.8
  Bottom Layer w0.5: R17.2 U3.4 12.675,31.525 13.335,32.185 13.335,34.675 12.065,35.945 Q3.3
NetQ4_1: Q4.1 R33.2 R34.1 | length 7
  Top Layer w0.3: Q4.1 88.56,42.273 91.125,42.273 R33.2 R34.1
NetR1_1: R1.1 R8.2 U2.2 | length 6.7
  Top Layer w0.4: U2.2 33.655,38.295 34.29,38.93 R8.2 R1.1
NetR11_2: R11.2 U3.6 | length 1.9
  Bottom Layer w0.4: R11.2 U3.6
NetR12_1: R12.1 U3.1 | length 36.1
  Top Layer w0.3: v1(20.955,26.035) v1(35.56,26.035)
  Bottom Layer w0.3: U3.1 18.85,34.065 19.685,33.23 19.685,30.48 19.05,29.845 19.05,27.94 v1(20.955,26.035) ; v1(35.56,26.035) 40.295,30.77 R12.1
NetR21_1: R21.1 R30.2 | length 2.3
  Bottom Layer w0.4: R30.2 R21.1
NetR26_2: R26.2 U8.1 | length 2
  Bottom Layer w0.4: R26.2 U8.1
NetU8_3: U8.3 U9.7 | length 2.5
  Bottom Layer w0.4: U9.7 U8.3
PE: J2.1 R14.1 | length 3.4
  Top Layer w0.4: J2.1 R14.1
SCL: R18.1 U4.41 U7.1 | length 22.7
  Top Layer w0.3: v1(76.315,46.513) U7.1 R18.1
  Bottom Layer w0.3: U4.41 62.25,42.565 65.167,45.482 75.284,45.482 v1(76.315,46.513)
SDA: R19.1 U4.40 U7.6 | length 18.7
  Top Layer w0.3: R19.1@71.12,49.013 U7.6 ; v1(71.46,47.357) R19.1
  Bottom Layer w0.3: U4.40 61.75,43.335 65.772,47.357 v1(71.46,47.357)
SLEEP: C8.2 C9.1 Q2.3 R16.1 U4.52 | length 23.7
  Top Layer w0.3: v1(76.665,39.243) 81.745,39.243 83.65,39.243 Q2.3 88.095,39.243 88.857,40.005 C8.2
  Bottom Layer w0.3: U4.52 69.255,36.58 71.918,39.243 v1(76.665,39.243)
SNC: C14.2 C31.1 Q4.3 R35.1 U4.45 | length 29.3
  Top Layer w0.3: v1(78.96,44.243) R35.1 ; R35.1@81.46,44.323 Q4.3 88.095,44.323 88.857,43.561 C14.2
  Bottom Layer w0.3: U4.45 64.25,42.58 65.913,44.243 v1(78.96,44.243)
SWDCLK: J1.2 U4.49 | length 44.3
  Bottom Layer w0.3: U4.49 68.525,38.08 71.79,41.345 77.52,41.345 79.375,39.49 79.375,15.24 J1.2
SWDIO: J1.4 U4.46 | length 50.8
  Bottom Layer w0.3: U4.46 64.75,41.89 66.04,43.18 76.955,43.18 80.645,39.49 80.645,18.415 85.09,13.97 85.09,12.065 J1.4
SWDRST: J1.1 JP2.2 R23.1 U4.7 | length 32.4
  Top Layer w0.3: R23.1 v1(62.75,25.175) 62.75,22.34 71.755,13.335 76.835,13.335 J1.1
  Bottom Layer w0.3: v1(62.75,25.175) U4.7
TC_ADC: C5.1 Q1.3 R5.2 U4.22 | length 17.7
  Top Layer w0.4: C5.1 R5.2 v1(44.331,34.485) Q1.3
  Bottom Layer w0.3: v1(44.331,34.485) 45.736,33.08 U4.22
UART_RX: R28.2 U4.17 | length 36.6
  Top Layer w0.3: v1(55.88,23.495) 59.69,23.495 74.295,8.89 R28.2
  Bottom Layer w0.3: v1(55.88,23.495) 55.88,30.58 U4.17
UART_TX: R27.2 U4.16 | length 32.9
  Top Layer w0.3: v1(59.055,22.225) 74.295,6.985 R27.2
  Bottom Layer w0.3: U4.16 58.25,23.03 v1(59.055,22.225)
pads on no net: F1. J1.3 J1.7 J1.8 U1.1 U1.2 U1.4 U1.6 U1.12 U1.13 U1.14 U1.23 U1.24 U1.25 U1.26 U1.27 U1.28 U2.1 U2.5 U2.8 U4.2 U4.3 U4.4 U4.5 U4.6 U4.8 U4.9 U4.10 U4.11 U4.24 U4.25 U4.34 U4.35 U4.36 U4.37 U4.38 U4.39 U4.42 U4.43 U4.44 U4.50 U4.54 U6.3 U6.8 U9.5 U9.6

## Polygon pours and split planes (outlines as drawn)
GND on Top Layer "Top-GND" (solid, remove dead copper, pour order 0): 0,55 100,55 100,0 0,0

## Keep-outs
Keep-Out Layer:
  region: 100,6.25 100,48.75 99,48.75 99,6.25
  region: 98.75,55 98.75,48.75 100,48.75 100,55
  region: 96.875,50.25 96.875,48.75 98.75,48.75 98.75,50.25
  region: 95.25,53.75 93.75,53.75 93.75,51.875 95.25,51.875
  region: 100,55 93.75,55 93.75,53.75 100,53.75
  rectangle: 6.25,54 93.75,55
  rectangle: 0,53.75 6.25,55
  rectangle: 4.75,51.875 6.25,53.75
  region: 1.25,50.25 1.25,48.75 3.125,48.75 3.125,50.25
  region: 0,55 0,48.75 1.25,48.75 1.25,55
  region: 1.25,0 1.25,6.25 0,6.25 0,0
  region: 3.125,4.75 3.125,6.25 1.25,6.25 1.25,4.75
  rectangle: 4.75,1.25 6.25,3.125
  rectangle: 0,0 6.25,1.25
  region: 100,0 100,6.25 98.75,6.25 98.75,0
  region: 98.75,4.75 98.75,6.25 96.875,6.25 96.875,4.75
  region: 95.25,3.125 93.75,3.125 93.75,1.25 95.25,1.25
  region: 1,6.25 1,48.75 0,48.75 0,6.25
  rectangle: 6.25,0 93.75,1
  region: 100,1.25 93.75,1.25 93.75,0 100,0
  lines w1.5: 0.5,52 ccw(c3,52) 0.5,52 ; 3,0.5 ccw(c3,3) 3,0.5 ; 97,54.5 ccw(c97,52) 97,54.5 ; 99.5,3 ccw(c97,3) 99.5,3

## Other copper
Top Layer:
  rectangle net 3V3: 57.25,29.58 66.75,39.08

## Silkscreen, mask and mechanical layers (free items; w line width, h text height)
Top Overlay:
  rectangle: 58,6 60,16
  rectangle: 59,14 62,16
  rectangle: 58.555,9.73 63,12
  rectangle: 63,14 64,16
  rectangle: 61,6 64,8
  lines w2: 64,7 ccw(c64,11) 64,15
Bottom Overlay:
  region: 69,16 67,16 67,6 69,6
  region: 68,16 65,16 65,14 68,14
  region: 68.445,12 64,12 64,9.73 68.445,9.73
  region: 64,16 63,16 63,14 64,14
  region: 66,8 63,8 63,6 66,6
  lines w2: 63,7 cw(c63,11) 63,15
Route Tool Path:
  the board outline again, w0.254
Mechanical 15:
  lines w0.254: 0,0 100,0 ; 0,0 0,55 ; 0,0 0,55 ; 0,0 100,0 ; 0,55 100,55 ; 0,55 100,55 ; 100,0 100,55 ; 100,0 100,55

## Text inside footprints (layer, text, board x,y; h text height)
B1: Top Overlay "+" at 23.68,13.765 h1 r90